# Altium PCB Jetson AGX Xavier Carrier Board.PcbDoc (part 1 of 4) (continued)
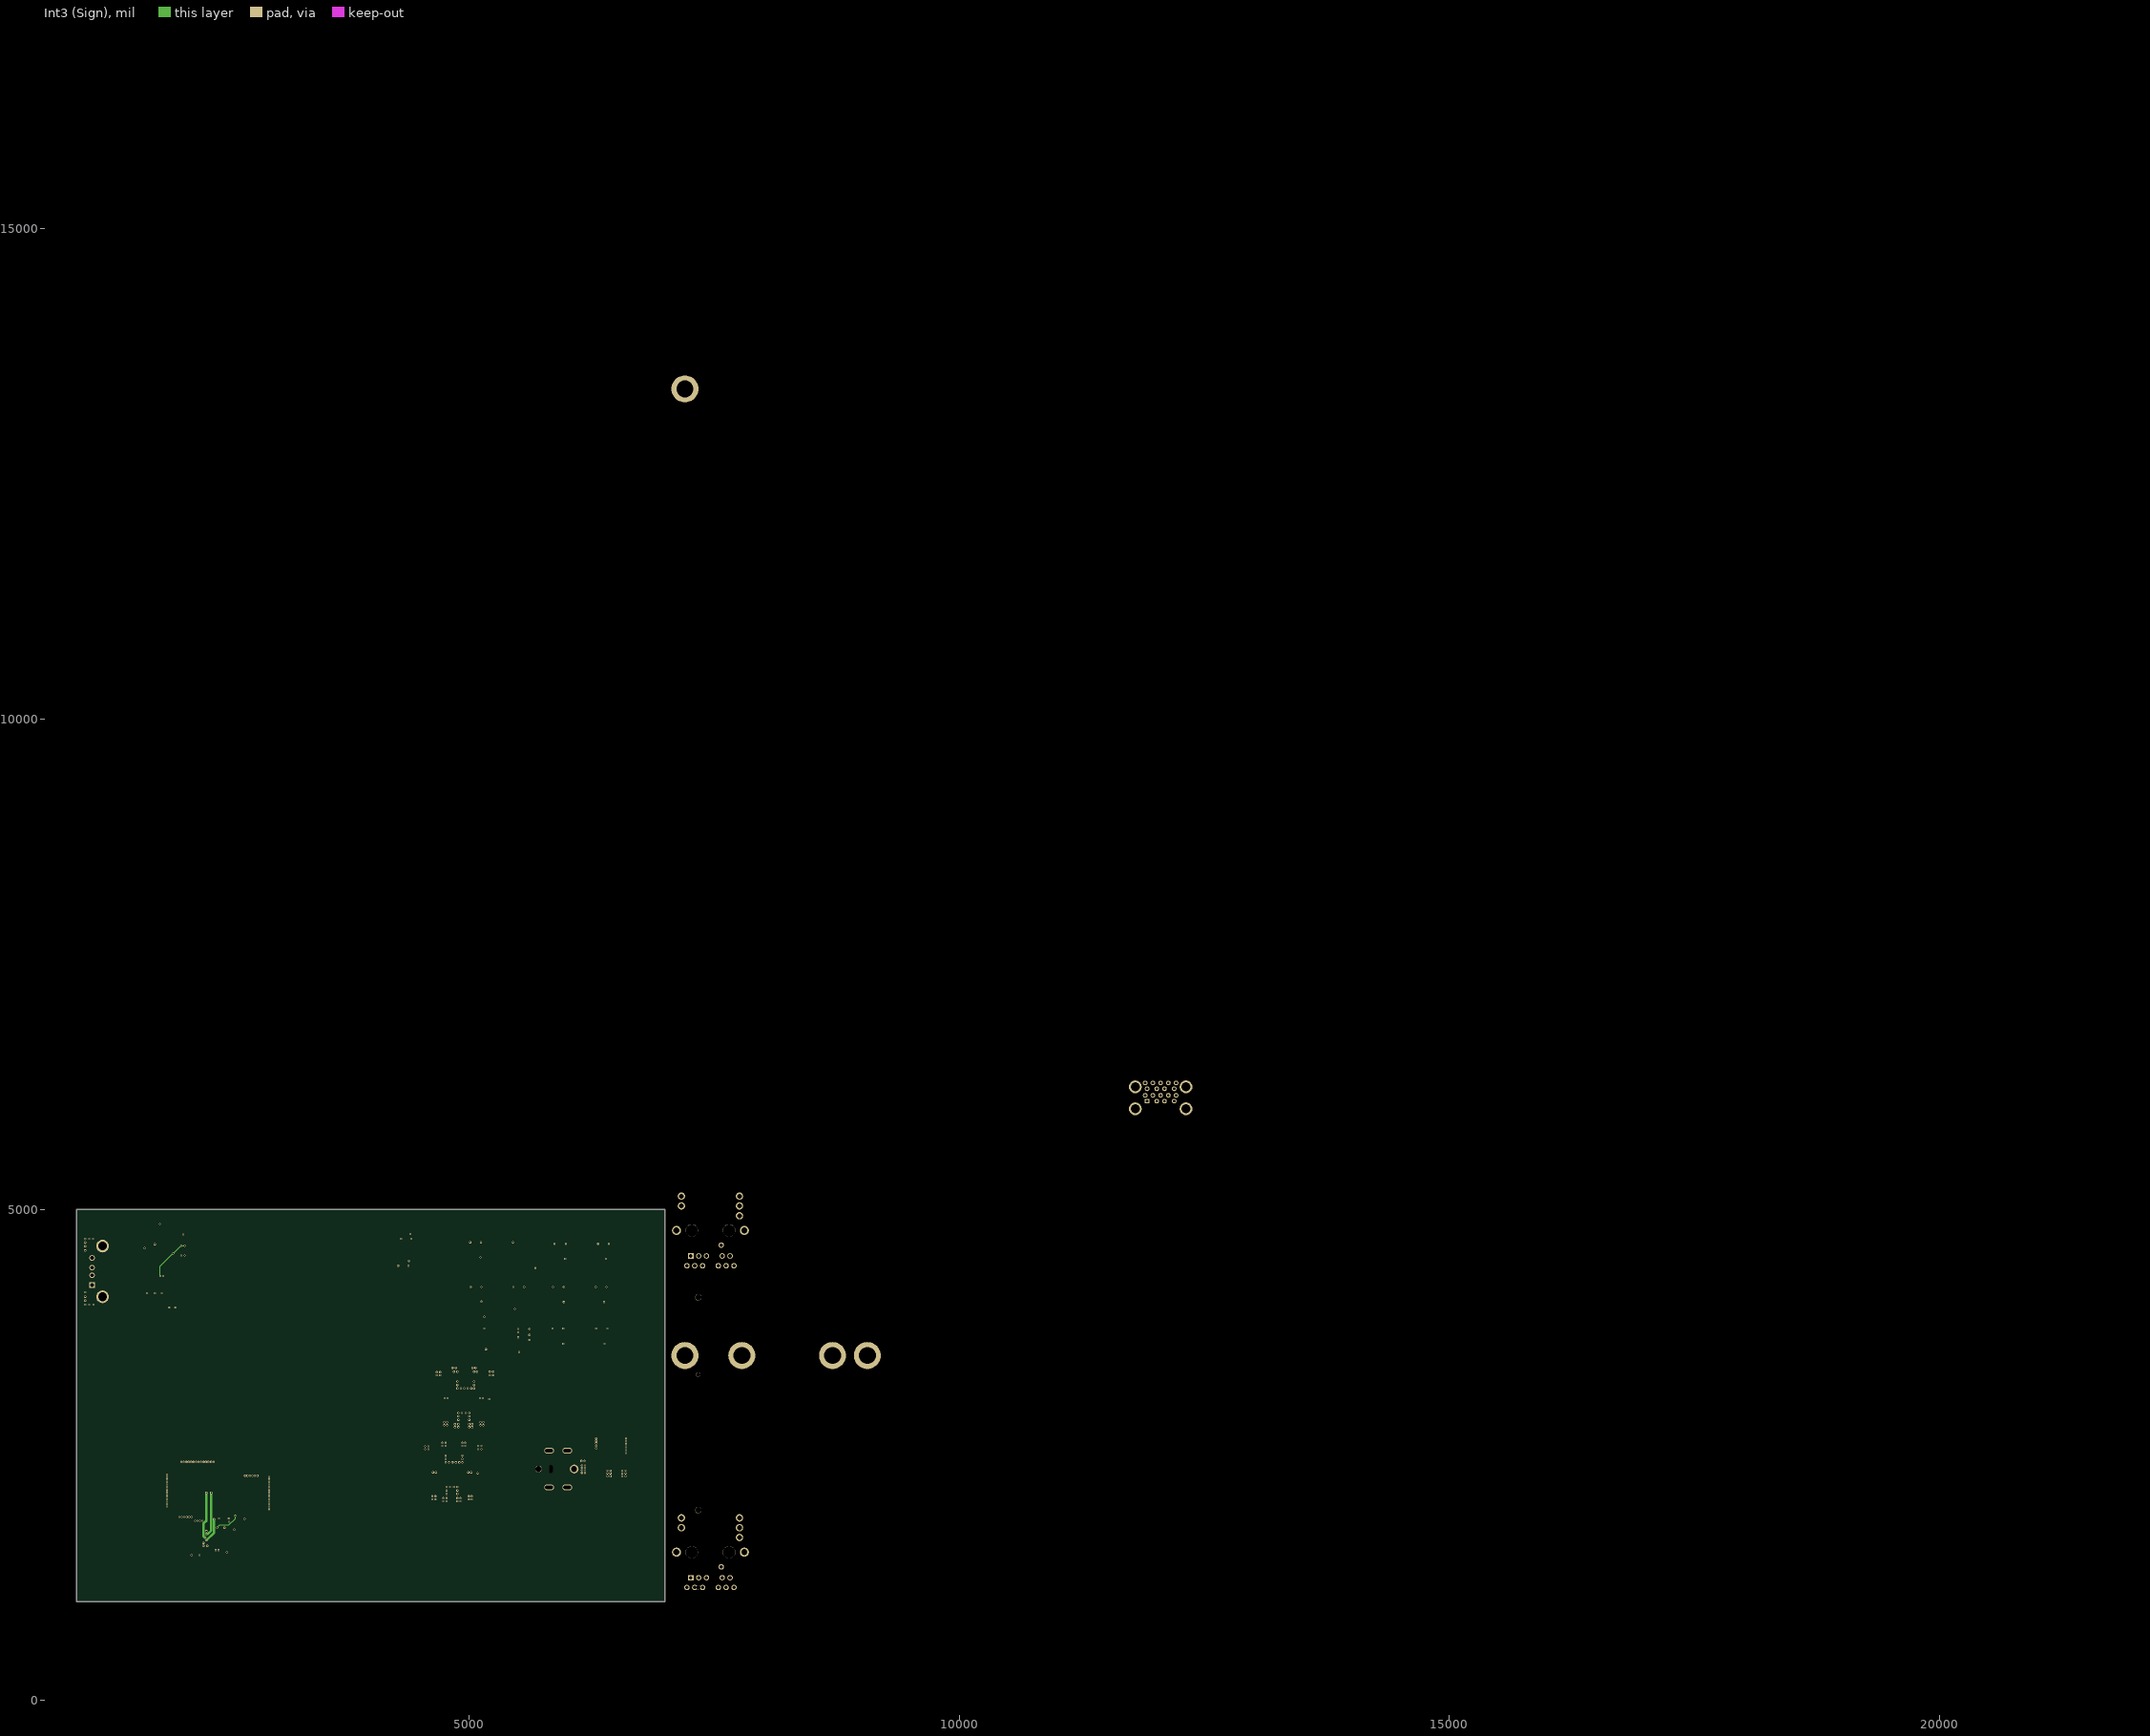
[diagram p4: Int3 (Sign)]
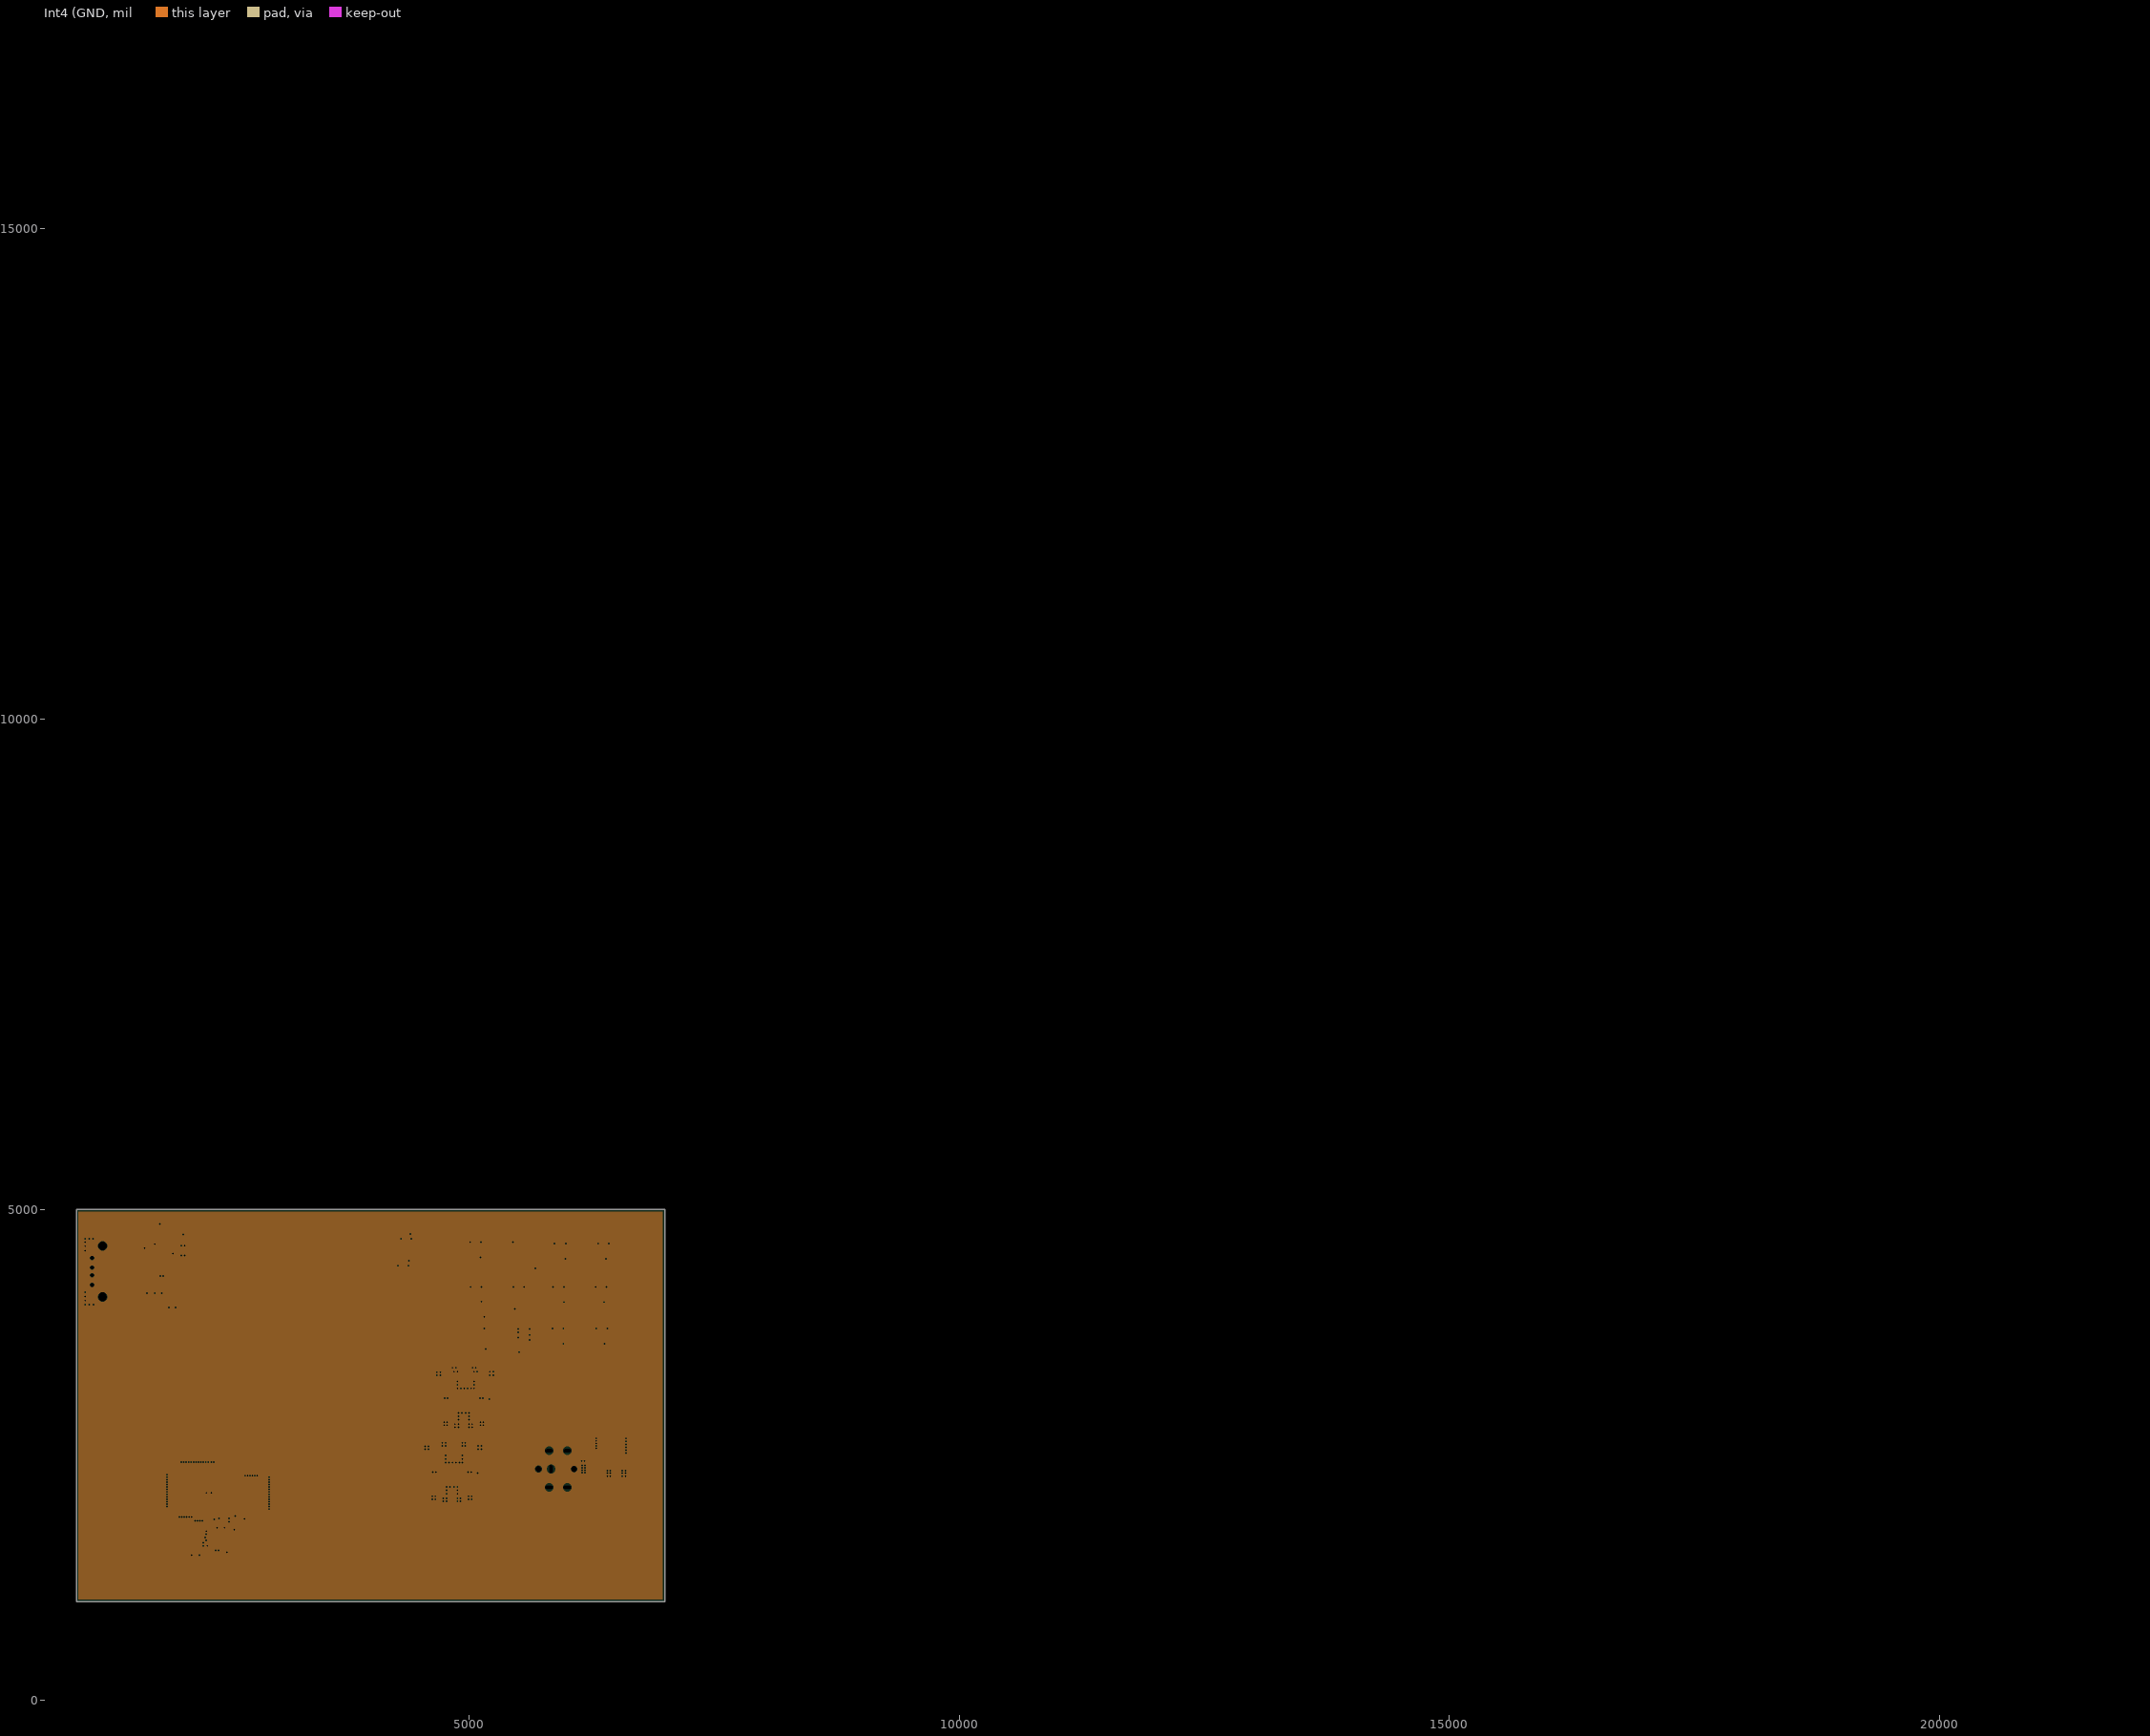
[diagram p5: Int4 (GND, clearances drawn from the general rule]
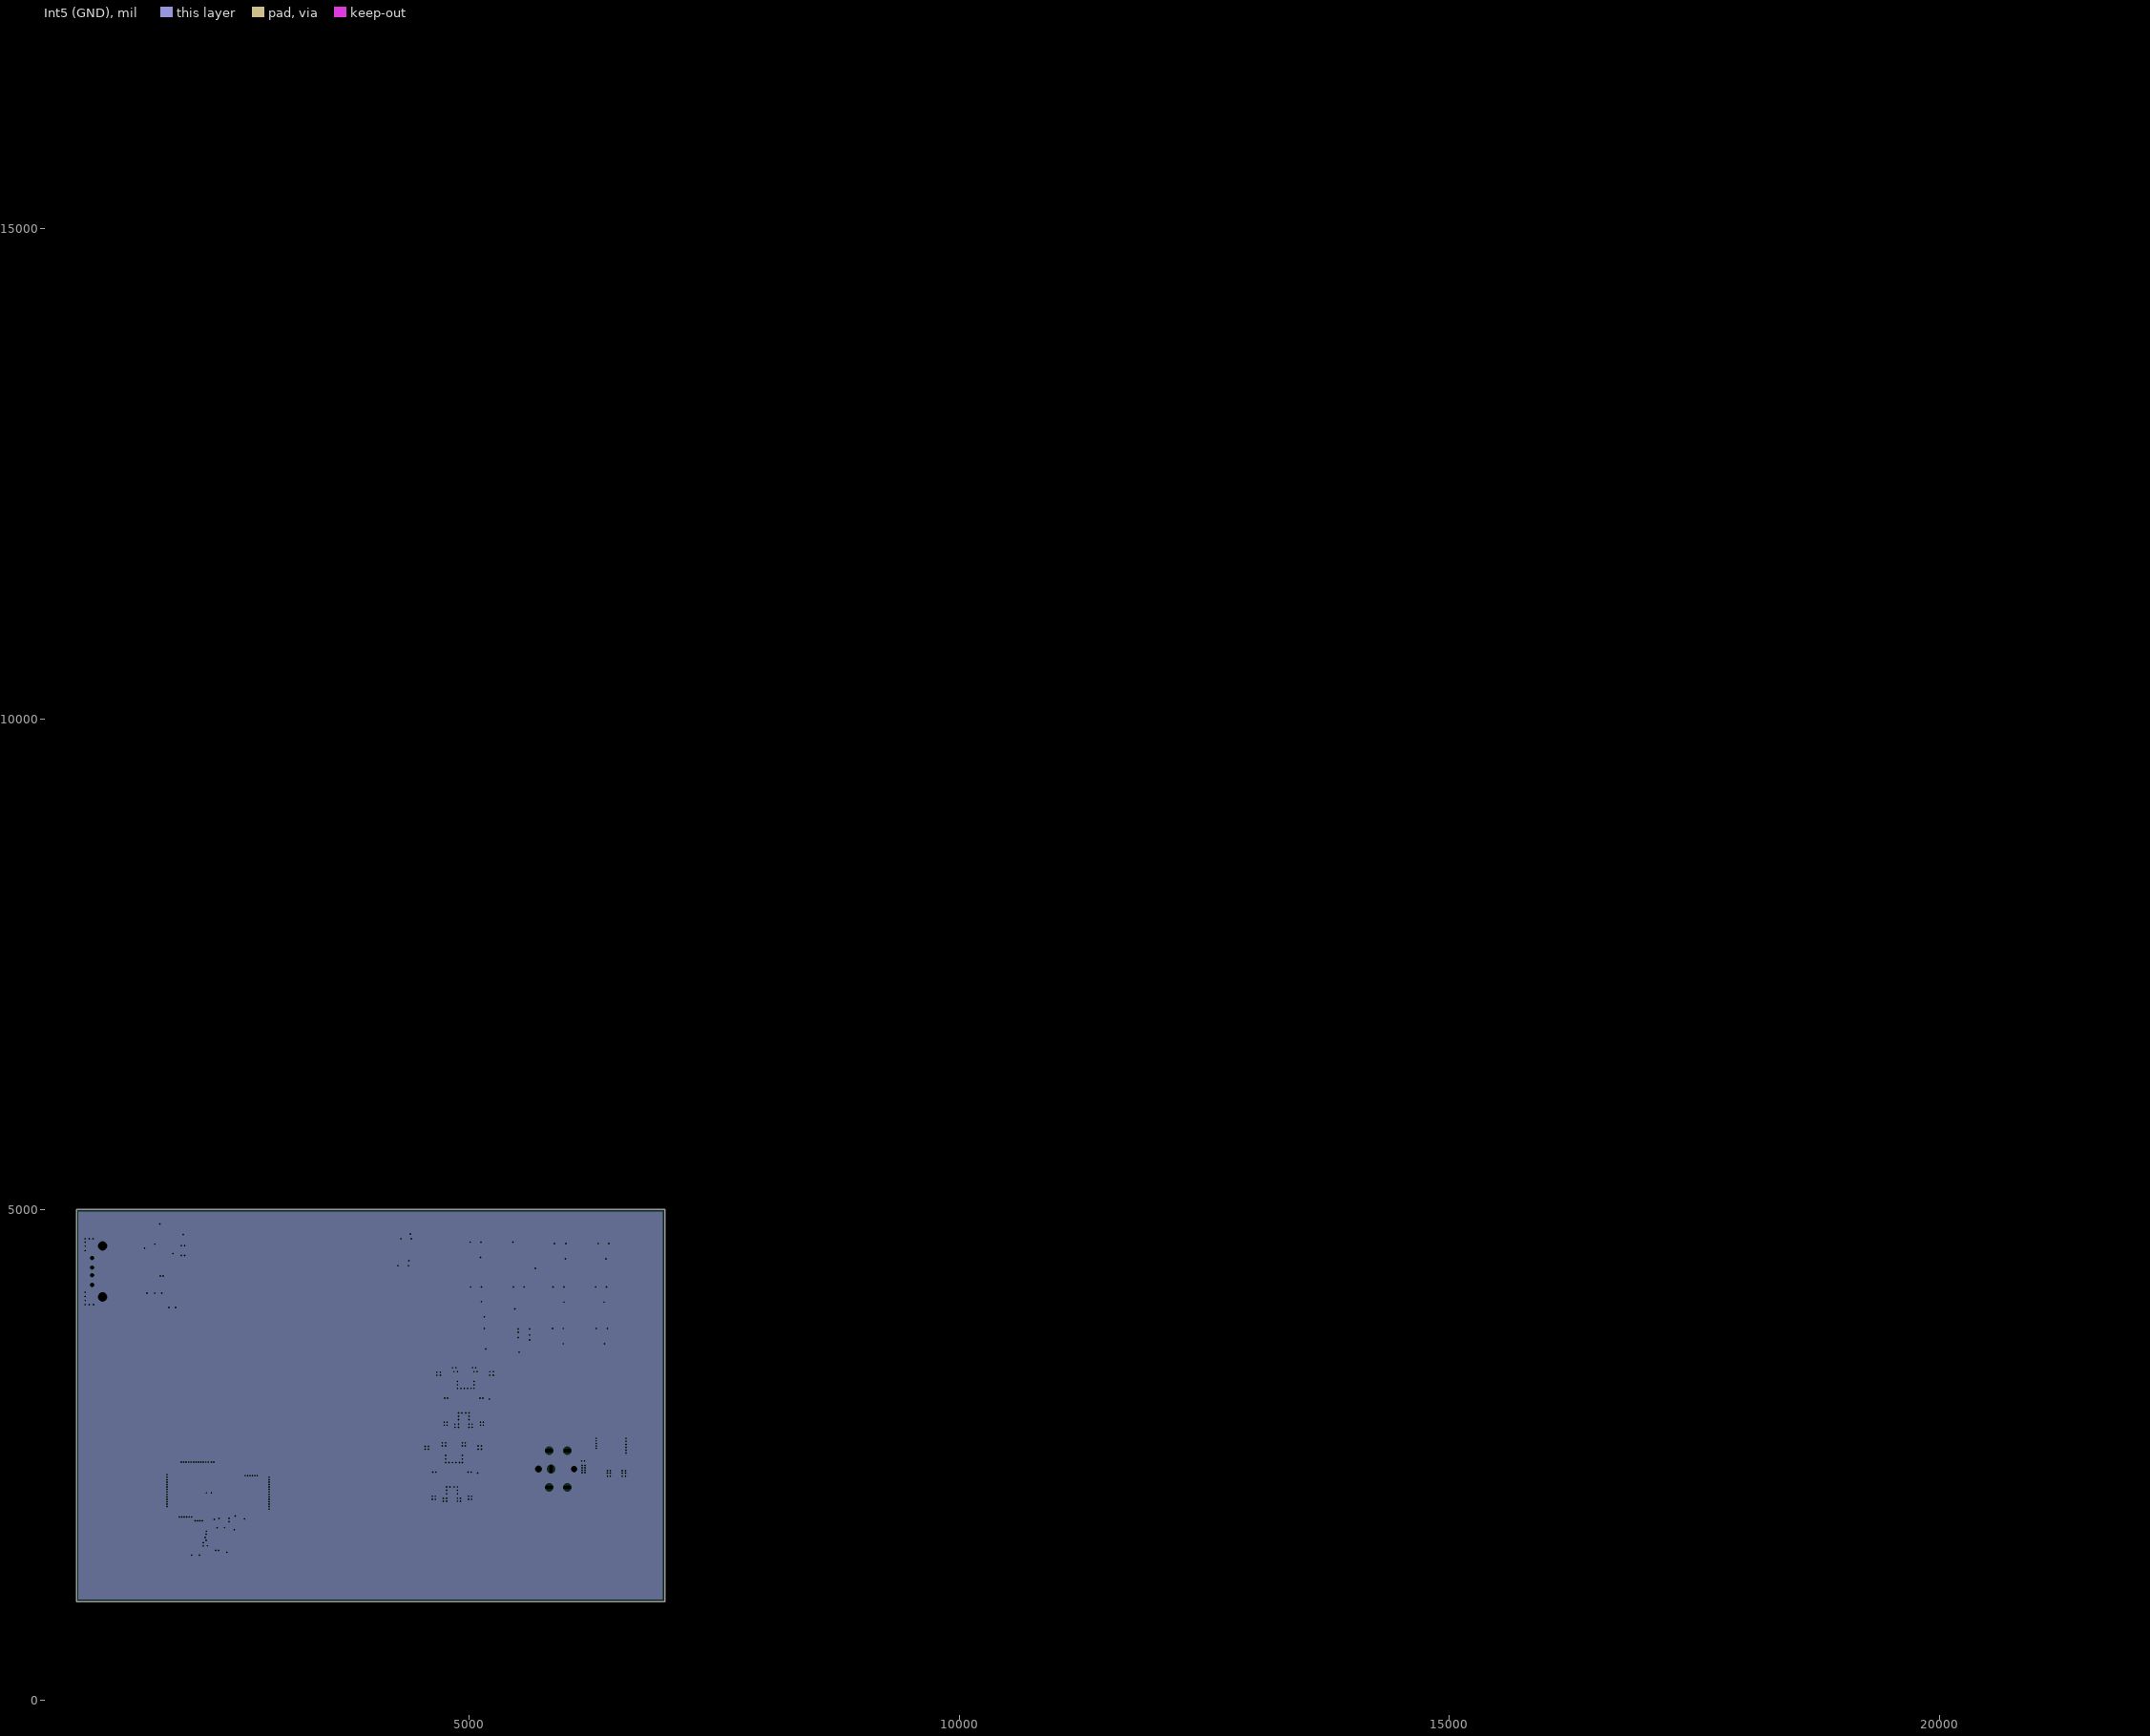
[diagram p6: Int5 (GND), clearances drawn from the general rule]
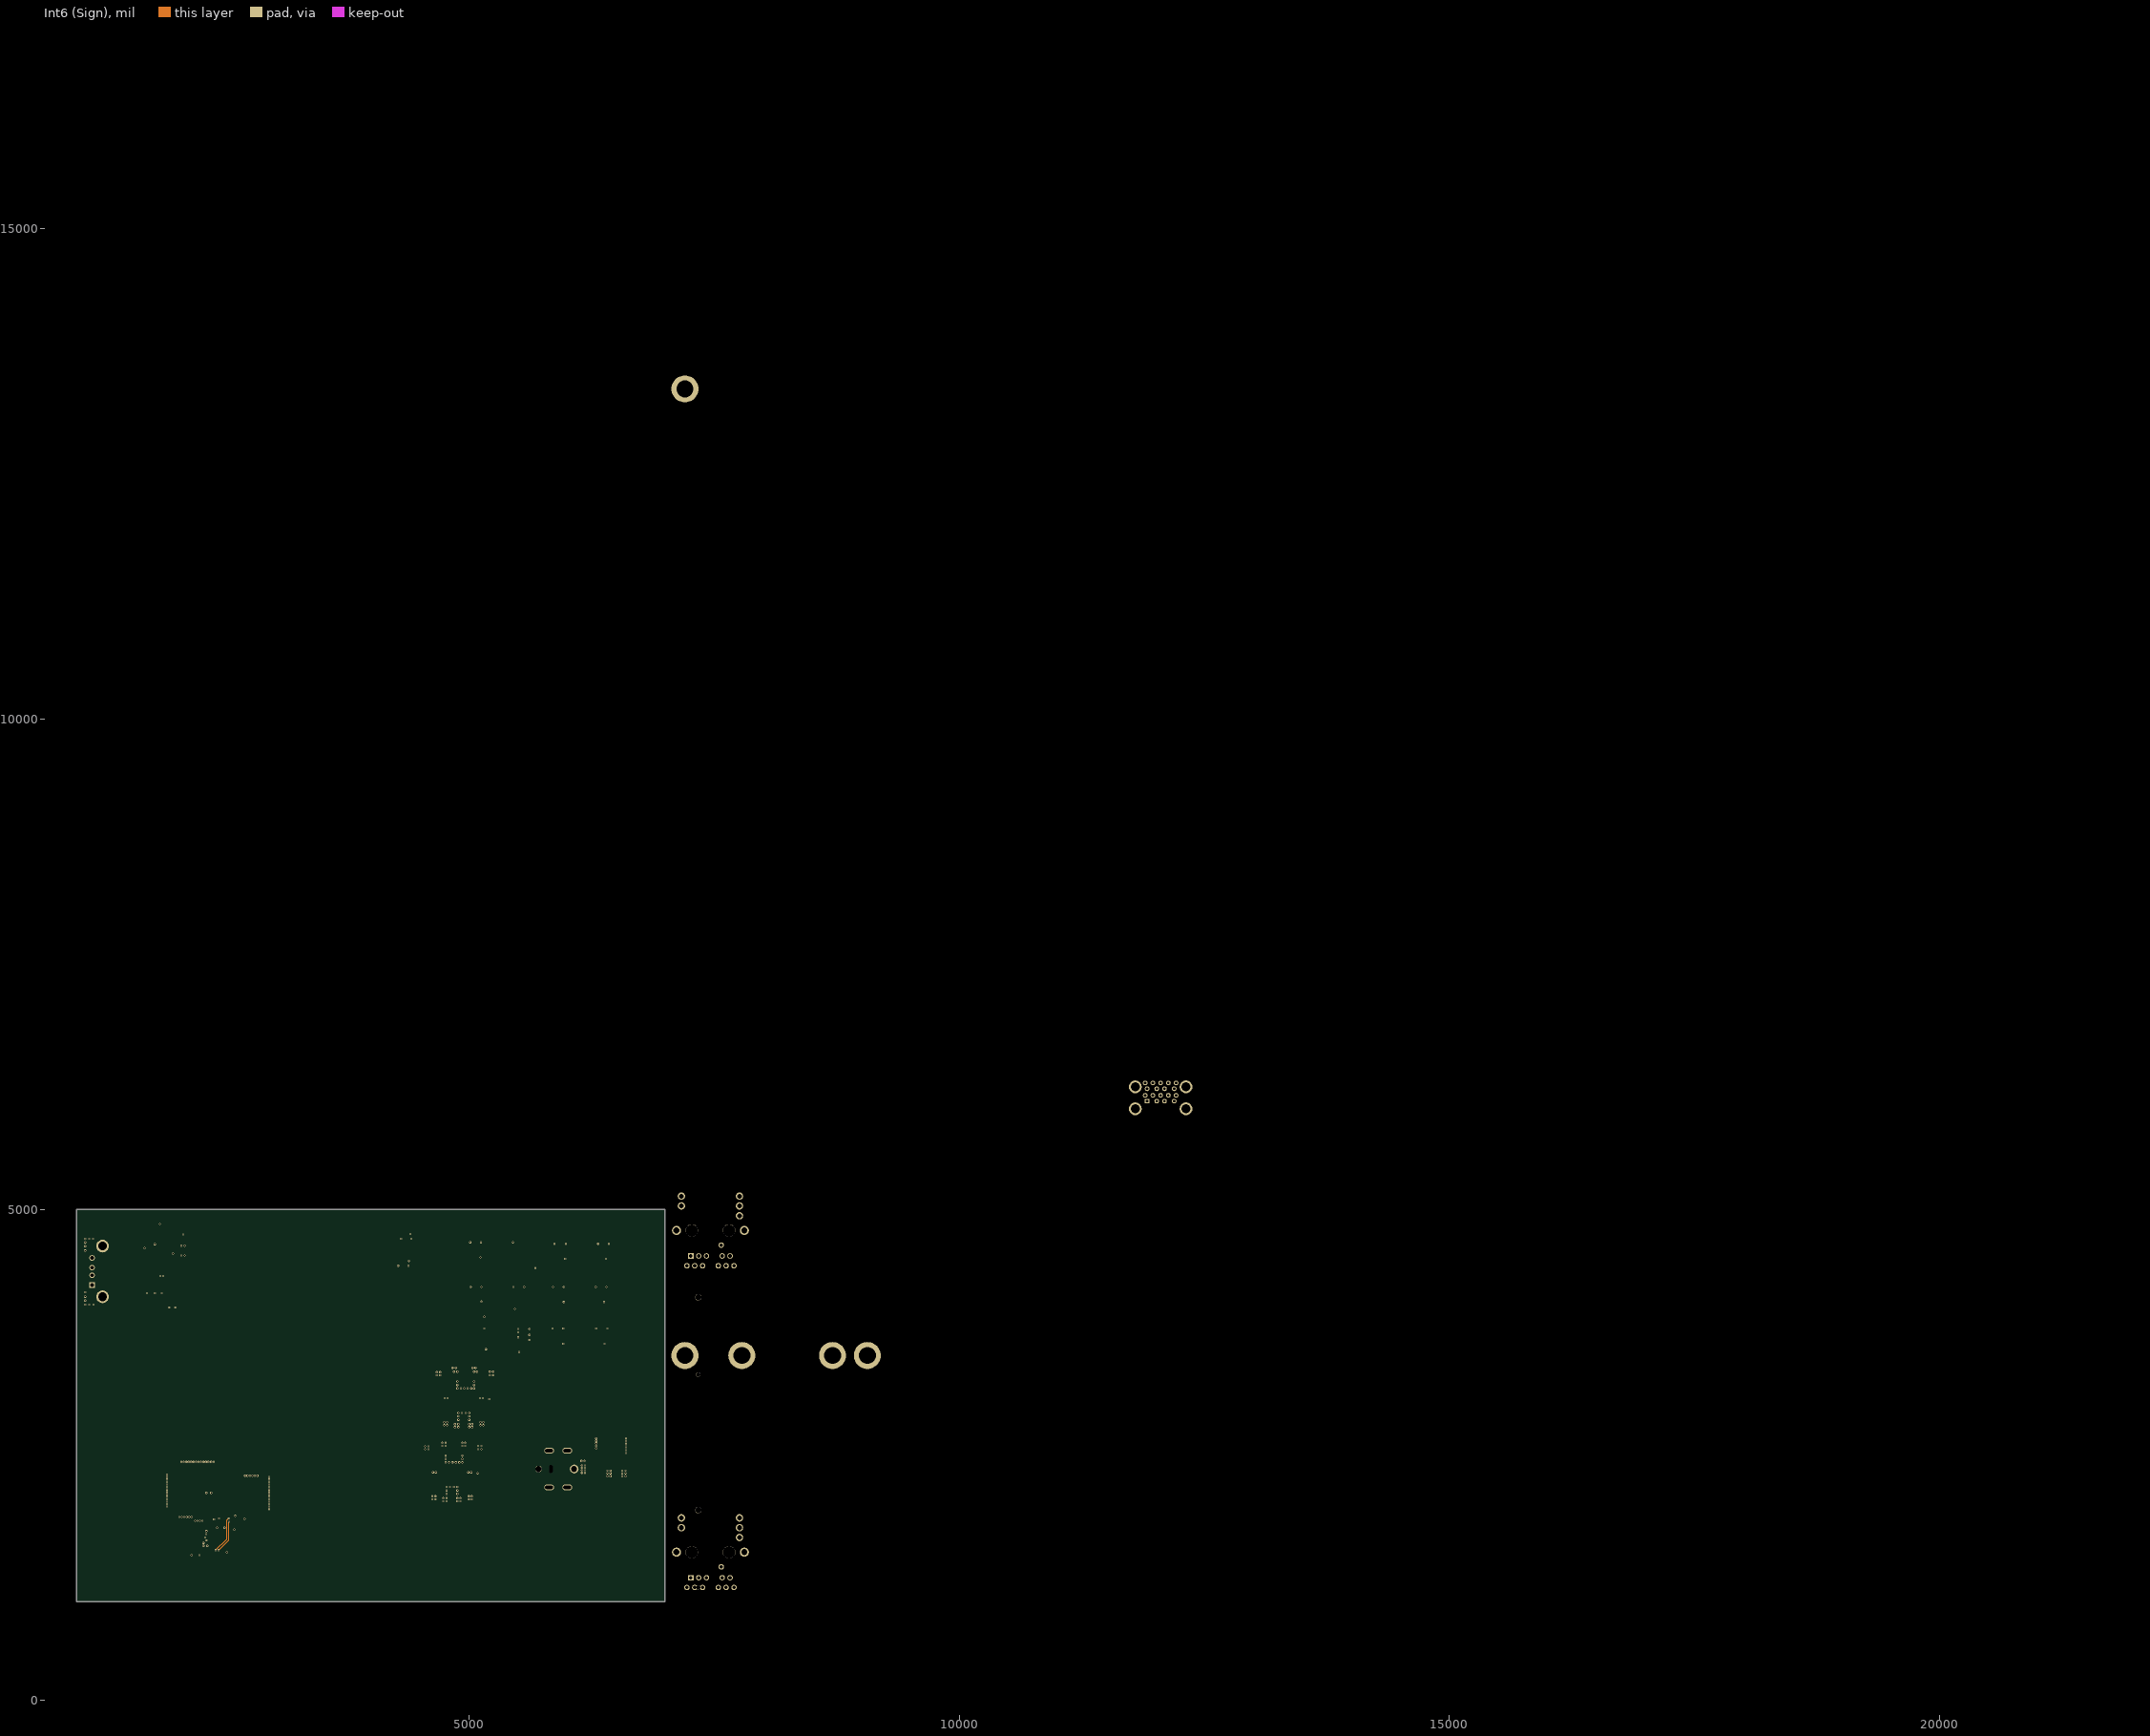
[diagram p7: Int6 (Sign)]